# Altium PCB Copy of Delay.PcbDoc (part 2 of 2)
Units mm, origin at the board's own origin, x right, y up, seen from the top; angles counter-clockwise.
Board outline 111 x 75 mm, 4 copper layers (Top Layer, Mid Layer 1, Mid Layer 2, Bottom Layer), stack 1.57 mm thick; 121 components, 112 nets, 448 pads, 80 vias.
Unrouted connection lines stored in the file: 40.
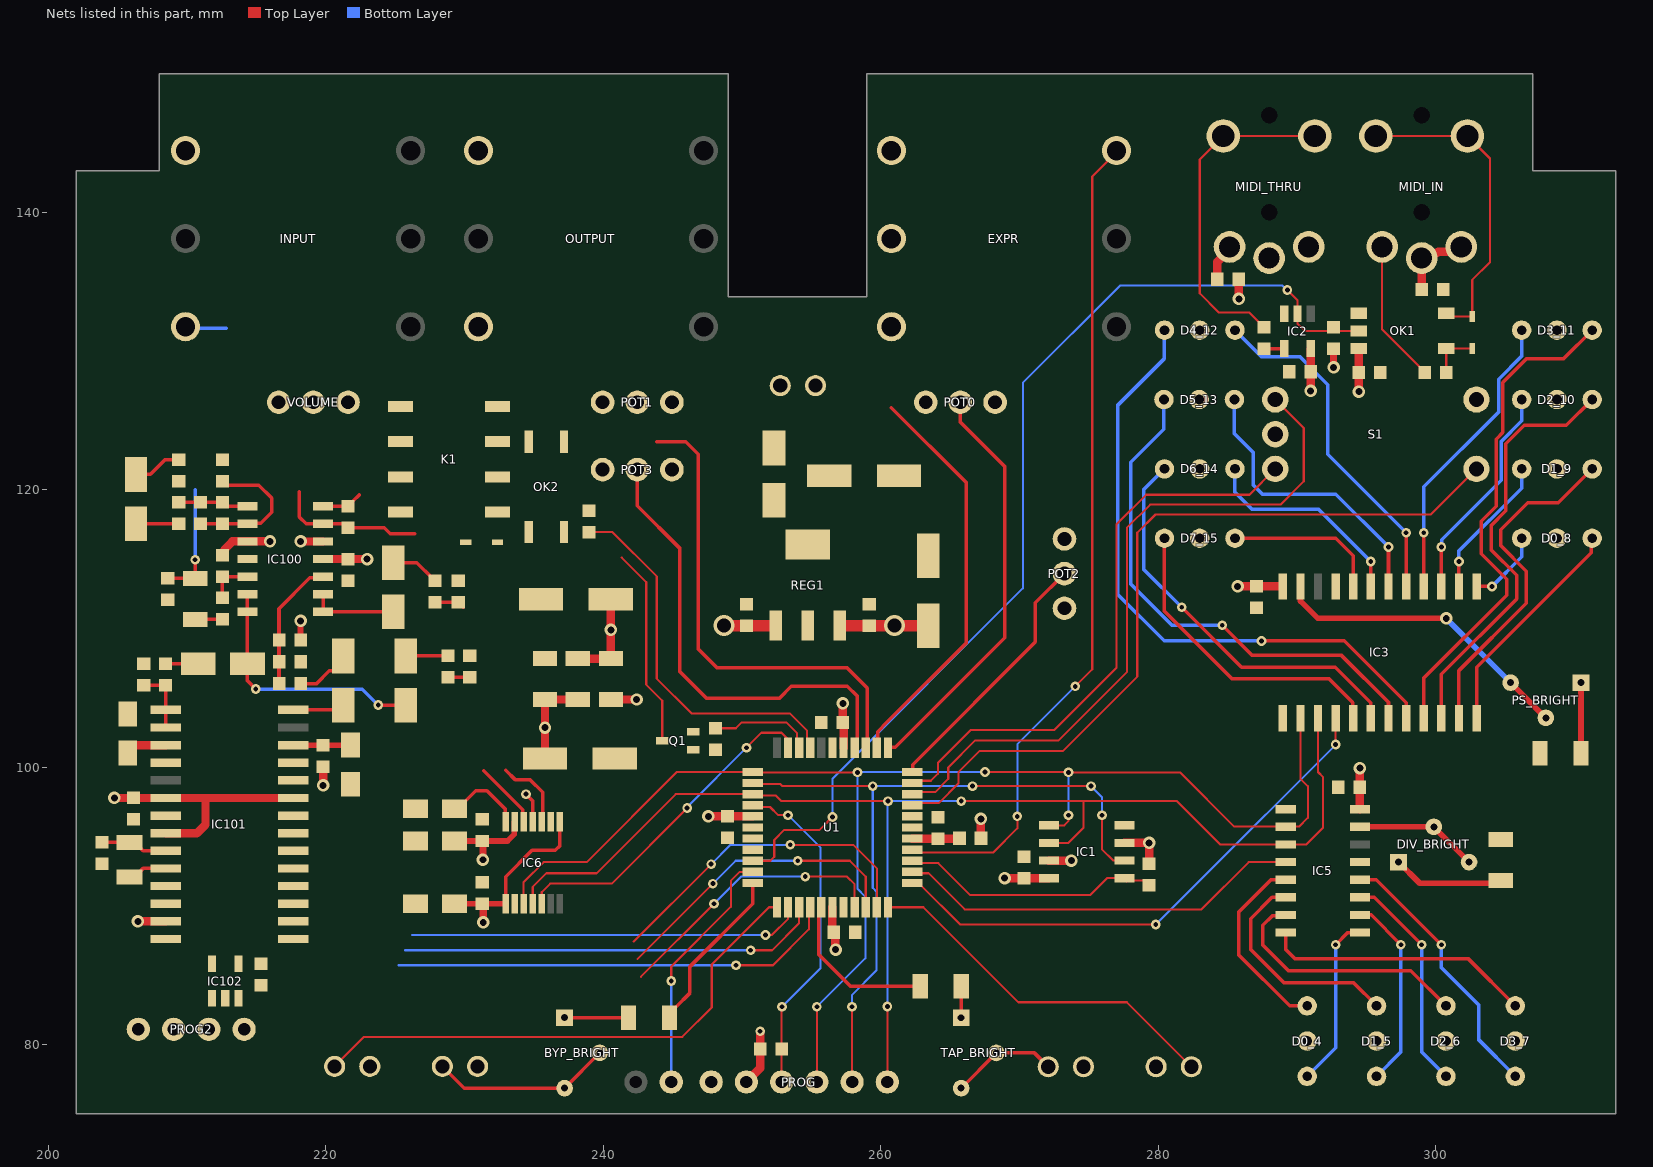
[diagram p4: the nets of this part, all layers, seen from the top]

## Part data (continued)
R107 R108 R109 R110 R111 R112: library part CRCW060315K0FKEA, "RES SMD 15K OHM 1% 1/10W 0603", Case Code (Imperial)=0603, Case Code (Metric)=1608, Manufacturer=Vishay, Max Operating Temperature=155°C, Min Operating Temperature=-55°C, Package Quantity=5000, Power Rating=100mW, Resistance=15kR, Supplier Part Number 1=1469758, Temperature Coefficient=100ppm/°C, Tolerance=1%, Voltage Rating=75V, Case/Package=0603, Category="Chip SMD Resistors", ComponentLink1Description=https://datasheet.ciiva.com/11809/0900766b80d98afc-11809112.pdf?src-supplier=RSComponents, ComponentLink1URL=https://datasheet.ciiva.com/11809/0900766b80d98afc-11809112.pdf?src-supplier=RSComponents, ComponentLink2Description=https://datasheet.ciiva.com/26314/fld-crcw-e3-data-en-26314662.pdf?src-supplier=Distrelec, ComponentLink2URL=https://datasheet.ciiva.com/26314/fld-crcw-e3-data-en-26314662.pdf?src-supplier=Distrelec, ComponentLink3Description=https://datasheet.ciiva.com/7841/1697337-7841560.pdf?src-supplier=Element14, ComponentLink3URL=https://datasheet.ciiva.com/7841/1697337-7841560.pdf?src-supplier=Element14, ComponentLink4Description=https://datasheet.ciiva.com/15159/getdatasheetpartid-99315-15159946.pdf?src-supplier=Verical, ComponentLink4URL=https://datasheet.ciiva.com/15159/getdatasheetpartid-99315-15159946.pdf?src-supplier=Verical, ComponentLink5Description=https://datasheet.ciiva.com/16287/dcrcwe3-16287995.pdf?src-supplier=Future+Electronics, ComponentLink5URL=https://datasheet.ciiva.com/16287/dcrcwe3-16287995.pdf?src-supplier=Future+Electronics, ComponentLink6Description=https://datasheet.ciiva.com/16782/70201119-16782044.pdf?src-supplier=Allied+Electronics, ComponentLink6URL=https://datasheet.ciiva.com/16782/70201119-16782044.pdf?src-supplier=Allied+Electronics, ComponentLink7Description=https://datasheet.ciiva.com/7841/1697337-7841821.pdf?src-supplier=Element14, ComponentLink7URL=https://datasheet.ciiva.com/7841/1697337-7841821.pdf?src-supplier=Element14, ComponentLink8Description=https://datasheet.ciiva.com/16515/dcrcwe3-16515053.pdf?src-supplier=Avnet+Asia, ComponentLink8URL=https://datasheet.ciiva.com/16515/dcrcwe3-16515053.pdf?src-supplier=Avnet+Asia, ComponentLink9Description=https://datasheet.ciiva.com/16893/dcrcwe3-16893672.pdf?src-supplier=Avnet+Europe, ComponentLink9URL=https://datasheet.ciiva.com/16893/dcrcwe3-16893672.pdf?src-supplier=Avnet+Europe, Composition="Thick Film", Contact Plating=Tin, Depth=0.85mm, Height=0.45mm, Lead Free="Lead Free", Length=1.55mm, Manufacturer Part Number=CRCW060315K0FKEA, Military Standard=Not, Mount="Surface Mount", Packaging="Tape and Reel", Pricing="10=0.04600, 100=0.01830, 500=0.01570, 1000=0.00710, 2500=0.00550 (EUR)", Radiation Hardening=No, REACH SVHC=Unknown, RoHS=Yes, Stock=128466, Supplier 1=Farnell, Termination=SMD/SMT, Voltage Rating (DC)=75V, Weight=7.1E-05oz, Width=0.85mm
R115: library part CRCW120647R0FKEA, "RES SMD 47 OHM 1% 1/4W 1206", Case Code (Imperial)=1206, Case Code (Metric)=3216, Manufacturer=Vishay, Max Operating Temperature=155°C, Max Power Dissipation=250mW, Min Operating Temperature=-55°C, Package Quantity=10, Supplier Part Number 1=1470017, Temperature Coefficient=100ppm/°C, Tolerance=1%, Voltage Rating=200V, Case/Package=1206, ComponentLink1Description=https://datasheet.ciiva.com/11818/0900766b80d98b5e-11818252.pdf?src-supplier=RSComponents, ComponentLink1URL=https://datasheet.ciiva.com/11818/0900766b80d98b5e-11818252.pdf?src-supplier=RSComponents, ComponentLink2Description=https://datasheet.ciiva.com/2469/dcrcwe3-2469056.pdf?src-supplier=Digi-Key, ComponentLink2URL=https://datasheet.ciiva.com/2469/dcrcwe3-2469056.pdf?src-supplier=Digi-Key, ComponentLink3Description=https://datasheet.ciiva.com/16760/70201119-16760313.pdf?src-supplier=Allied+Electronics, ComponentLink3URL=https://datasheet.ciiva.com/16760/70201119-16760313.pdf?src-supplier=Allied+Electronics, ComponentLink4Description=https://datasheet.ciiva.com/9005/dcrcwe3-9005498.pdf?src-supplier=Avnet, ComponentLink4URL=https://datasheet.ciiva.com/9005/dcrcwe3-9005498.pdf?src-supplier=Avnet, ComponentLink5Description=https://datasheet.ciiva.com/2469/dcrcwe3-2469054.pdf?src-supplier=Digi-Key, ComponentLink5URL=https://datasheet.ciiva.com/2469/dcrcwe3-2469054.pdf?src-supplier=Digi-Key, ComponentLink6Description=https://datasheet.ciiva.com/9005/dcrcwe3-9005502.pdf?src-supplier=Avnet, ComponentLink6URL=https://datasheet.ciiva.com/9005/dcrcwe3-9005502.pdf?src-supplier=Avnet, ComponentLink7Description=https://datasheet.ciiva.com/16435/dcrcw-16435790.pdf?src-supplier=Future+Electronics, ComponentLink7URL=https://datasheet.ciiva.com/16435/dcrcw-16435790.pdf?src-supplier=Future+Electronics, ComponentLink8Description=https://datasheet.ciiva.com/16894/dcrcwe3-16894718.pdf?src-supplier=Avnet+Europe, ComponentLink8URL=https://datasheet.ciiva.com/16894/dcrcwe3-16894718.pdf?src-supplier=Avnet+Europe, ComponentLink9Description=https://datasheet.ciiva.com/7777/1697337-7777594.pdf?src-supplier=Element14, ComponentLink9URL=https://datasheet.ciiva.com/7777/1697337-7777594.pdf?src-supplier=Element14, ComponentLink10Description=https://datasheet.ciiva.com/15159/getdatasheetpartid-67741-15159676.pdf?src-supplier=Verical, ComponentLink10URL=https://datasheet.ciiva.com/15159/getdatasheetpartid-67741-15159676.pdf?src-supplier=Verical, ComponentLink11Description=https://datasheet.ciiva.com/2469/dcrcwe3-2469055.pdf?src-supplier=Digi-Key, ComponentLink11URL=https://datasheet.ciiva.com/2469/dcrcwe3-2469055.pdf?src-supplier=Digi-Key, Composition="Thick Film", Contact Plating=Tin, Depth=1.6mm, Features="Automotive AEC-Q200", Height=0.55mm, Lead Free="Lead Free", Length=3.2mm, Manufacturer Part Number=CRCW120647R0FKEA, Military Standard=Not, Mount="Surface Mount", Number of Terminations=2, Packaging="Tape and Reel", Power Rating=250mW, Price=0.0249, Pricing="10=0.0369, 100=0.0246, 500=0.0205, 1000=0.0135, 2500=0.0108 (EUR)", Radiation Hardening=No, REACH SVHC=Unknown, Resistance=47R, RoHS=Yes, Stock=90018, Supplier 1=Farnell, Termination=SMD/SMT, Voltage Rating (DC)=200V, Weight=0.000353oz, Width=0.063inch
R116 R117: library part CRCW120647K0FKEA, "RES SMD 47K OHM 1% 1/4W 1206", Case Code (Imperial)=1206, Case Code (Metric)=3216, Manufacturer=Vishay, Max Operating Temperature=155°C, Max Power Dissipation=250mW, Min Operating Temperature=-55°C, Package Quantity=10, Resistance=47kR, Supplier Part Number 1=1470016, Temperature Coefficient=100ppm/°C, Tolerance=1%, Voltage Rating=200V, Case/Package=1206, ComponentLink1Description=https://datasheet.ciiva.com/11809/0900766b80d98b5e-11809091.pdf?src-supplier=RSComponents, ComponentLink1URL=https://datasheet.ciiva.com/11809/0900766b80d98b5e-11809091.pdf?src-supplier=RSComponents, ComponentLink2Description=https://datasheet.ciiva.com/16894/dcrcwe3-16894709.pdf?src-supplier=Avnet+Europe, ComponentLink2URL=https://datasheet.ciiva.com/16894/dcrcwe3-16894709.pdf?src-supplier=Avnet+Europe, ComponentLink3Description=https://datasheet.ciiva.com/26316/fld-crcw-e3-data-en-26316470.pdf?src-supplier=Distrelec, ComponentLink3URL=https://datasheet.ciiva.com/26316/fld-crcw-e3-data-en-26316470.pdf?src-supplier=Distrelec, ComponentLink4Description=https://datasheet.ciiva.com/7777/1697337-7777591.pdf?src-supplier=Element14, ComponentLink4URL=https://datasheet.ciiva.com/7777/1697337-7777591.pdf?src-supplier=Element14, ComponentLink5Description=https://datasheet.ciiva.com/7777/125364-7777592.pdf?src-supplier=Element14, ComponentLink5URL=https://datasheet.ciiva.com/7777/125364-7777592.pdf?src-supplier=Element14, ComponentLink6Description=https://datasheet.ciiva.com/16380/dcrcwe3-16380760.pdf?src-supplier=Future+Electronics, ComponentLink6URL=https://datasheet.ciiva.com/16380/dcrcwe3-16380760.pdf?src-supplier=Future+Electronics, ComponentLink7Description=https://datasheet.ciiva.com/2468/dcrcwe3-2468922.pdf?src-supplier=Digi-Key, ComponentLink7URL=https://datasheet.ciiva.com/2468/dcrcwe3-2468922.pdf?src-supplier=Digi-Key, ComponentLink8Description=https://datasheet.ciiva.com/2468/dcrcwe3-2468923.pdf?src-supplier=Digi-Key, ComponentLink8URL=https://datasheet.ciiva.com/2468/dcrcwe3-2468923.pdf?src-supplier=Digi-Key, ComponentLink9Description=https://datasheet.ciiva.com/2468/dcrcwe3-2468924.pdf?src-supplier=Digi-Key, ComponentLink9URL=https://datasheet.ciiva.com/2468/dcrcwe3-2468924.pdf?src-supplier=Digi-Key, ComponentLink10Description=https://datasheet.ciiva.com/7777/1697337-7777484.pdf?src-supplier=Element14, ComponentLink10URL=https://datasheet.ciiva.com/7777/1697337-7777484.pdf?src-supplier=Element14, ComponentLink11Description=https://datasheet.ciiva.com/22868/70201119-22868605.pdf?src-supplier=Allied+Electronics, ComponentLink11URL=https://datasheet.ciiva.com/22868/70201119-22868605.pdf?src-supplier=Allied+Electronics, ComponentLink12Description=https://datasheet.ciiva.com/9006/dcrcwe3-9006431.pdf?src-supplier=Avnet, ComponentLink12URL=https://datasheet.ciiva.com/9006/dcrcwe3-9006431.pdf?src-supplier=Avnet, Composition="Thick Film", Contact Plating=Tin, Depth=1.6mm, Features="Automotive AEC-Q200", Height=0.55mm, Lead Free="Lead Free", Length=3.2mm, Manufacturer Part Number=CRCW120647K0FKEA, Military Standard=Not, Number of Terminations=2, Packaging="Tape and Reel", Power Rating=250mW, Price=0.028, Pricing="10=0.0415, 100=0.0276, 500=0.0231, 1000=0.0135, 2500=0.0116 (EUR)", Radiation Hardening=No, REACH SVHC=Unknown, RoHS=Yes, Stock=31528, Supplier 1=Farnell, Termination=SMD/SMT, Voltage Rating (DC)=200V, Weight=0.000353oz, Width=1.6mm
REG1: library part UA78M33CDCYR, "IC REG LIN 3.3V 500MA SOT223-4", Case/Package=SOT-223-4, Dropout Voltage=2V, Manufacturer="Texas Instruments", Max Input Voltage=25V, Max Operating Temperature=125°C, Max Output Current=500mA, Min Input Voltage=5.3V, Min Operating Temperature=-40°C, Nominal Output Voltage=3.3V, Package Quantity=1, Power Supply Rejection Ratio (PSRR)=80dB, Quiescent Current=4.5mA, Supplier Part Number 1=3008103, Category="Voltage Regulators - Linear", ComponentLink1Description=https://datasheet.ciiva.com/2042/ua78m05-2042173.pdf?src-supplier=Digi-Key, ComponentLink1URL=https://datasheet.ciiva.com/2042/ua78m05-2042173.pdf?src-supplier=Digi-Key, ComponentLink2Description=https://datasheet.ciiva.com/46395/1882046-46395062.pdf?src-supplier=Element14, ComponentLink2URL=https://datasheet.ciiva.com/46395/1882046-46395062.pdf?src-supplier=Element14, ComponentLink3Description=https://datasheet.ciiva.com/7992/1882046-7992586.pdf?src-supplier=Element14, ComponentLink3URL=https://datasheet.ciiva.com/7992/1882046-7992586.pdf?src-supplier=Element14, ComponentLink4Description=https://datasheet.ciiva.com/2042/ua78m05-2042171.pdf?src-supplier=Digi-Key, ComponentLink4URL=https://datasheet.ciiva.com/2042/ua78m05-2042171.pdf?src-supplier=Digi-Key, ComponentLink5Description=https://datasheet.ciiva.com/3224/ua78m05-3224619.pdf?src-supplier=Avnet, ComponentLink5URL=https://datasheet.ciiva.com/3224/ua78m05-3224619.pdf?src-supplier=Avnet, ComponentLink6Description=https://datasheet.ciiva.com/2042/ua78m05-2042172.pdf?src-supplier=Digi-Key, ComponentLink6URL=https://datasheet.ciiva.com/2042/ua78m05-2042172.pdf?src-supplier=Digi-Key, ComponentLink7Description=https://datasheet.ciiva.com/26170/ua78m12-26170716.pdf?src-supplier=Avnet+Europe, ComponentLink7URL=https://datasheet.ciiva.com/26170/ua78m12-26170716.pdf?src-supplier=Avnet+Europe, ComponentLink8Description=https://datasheet.ciiva.com/41463/001015184-da-01-en-ic-reg-3-3v-u-ua78m33cdcyr-sot-223-4-tid-41463029.pdf?src-supplier=Conrad, ComponentLink8URL=https://datasheet.ciiva.com/41463/001015184-da-01-en-ic-reg-3-3v-u-ua78m33cdcyr-sot-223-4-tid-41463029.pdf?src-supplier=Conrad, Contact Plating=Tin,Matte, Lead Free="Lead Free", Manufacturer Part Number=UA78M33CDCYR, Mount="Surface Mount", Number of Outputs=1, Number of Pins=4, Number of Regulators=1, Output Current=500mA, Output Type=Fixed, Output Voltage=3.3V, Packaging="Tape and Reel", Polarity=Positive, Pricing="1=0.49500, 50=0.43200, 100=0.27900, 250=0.26000, 500=0.24200, 1000=0.22300, 2500=0.20200, 5000=0.18600 (EUR)", Radiation Hardening=No, REACH SVHC="No SVHC", RoHS=Yes, Stock=16789, Supplier 1=Farnell, Weight=0.006632oz
S1: library part ENC_EC11
U1: library part ATMEGA1284-AU, "Integrated Circuit", Manufacturer_Name=Microchip, Datasheet Link=http://ww1.microchip.com/downloads/en/devicedoc/atmel-42718-atmega1284_datasheet_summary.pdf, Height=1.2mm, Manufacturer_Part_Number=ATMEGA1284-AU
UART: "2 Pins female header", Pin spacing=2.54mm, Price=0.01
VOLUME: library part POT_100kB_ALPHA_9mm, "100k Lin potentiometer round shaft", Package="PCB Mounted", Dimensions=9mm, Price=1.3
Y100: library part ABS07-32.768KHZ-T, "CRYSTAL 32.7680KHZ 12.5PF SMD", Case/Package=CSMD, ESR (Equivalent Series Resistance)=70kR, Frequency=32.768kHz, Frequency Tolerance=20ppm, Load Capacitance=12.5pF, Manufacturer=Abracon, Max Operating Temperature=85°C, Min Operating Temperature=-40°C, Package Quantity=3000, Supplier Part Number 1=2101347, Category=Crystals, ComponentLink1Description=https://datasheet.ciiva.com/854/abs07-854935.pdf?src-supplier=Digi-Key, ComponentLink1URL=https://datasheet.ciiva.com/854/abs07-854935.pdf?src-supplier=Digi-Key, ComponentLink2Description=https://datasheet.ciiva.com/1357/1883680-1357319.pdf?src-supplier=Element14, ComponentLink2URL=https://datasheet.ciiva.com/1357/1883680-1357319.pdf?src-supplier=Element14, ComponentLink3Description=https://datasheet.ciiva.com/854/abs07-854936.pdf?src-supplier=Digi-Key, ComponentLink3URL=https://datasheet.ciiva.com/854/abs07-854936.pdf?src-supplier=Digi-Key, ComponentLink4Description=https://datasheet.ciiva.com/854/abs07-854937.pdf?src-supplier=Digi-Key, ComponentLink4URL=https://datasheet.ciiva.com/854/abs07-854937.pdf?src-supplier=Digi-Key, ComponentLink5Description=https://datasheet.ciiva.com/15214/getdatasheetpartid-727011-15214954.pdf?src-supplier=Verical, ComponentLink5URL=https://datasheet.ciiva.com/15214/getdatasheetpartid-727011-15214954.pdf?src-supplier=Verical, ComponentLink6Description=https://datasheet.ciiva.com/7998/1912628-7998667.pdf?src-supplier=Element14, ComponentLink6URL=https://datasheet.ciiva.com/7998/1912628-7998667.pdf?src-supplier=Element14, ComponentLink7Description=https://datasheet.ciiva.com/4944/abs07-11028-4944830.pdf?src-supplier=Mouser, ComponentLink7URL=https://datasheet.ciiva.com/4944/abs07-11028-4944830.pdf?src-supplier=Mouser, Depth=1.5mm, Height=0.035inch, Lead Free="Lead Free", Length=3.2mm, Manufacturer Part Number=ABS07-32.768KHZ-T, Number of Pins=2, Packaging="Tape and Reel", Pricing="5=0.65300, 50=0.44800, 250=0.43500, 500=0.34800, 1500=0.31800, 3000=0.28700, 15000=0.28500 (EUR)", Radiation Hardening=No, REACH SVHC="No SVHC", RoHS=Yes, Series Resistance=70kR, Stock=222445, Supplier 1=Farnell, Termination=SMD/SMT, Tolerance=20ppm, Width=0.061inch

## Via types
v1: diameter 0.7, hole 0.35, Top Layer to Bottom Layer, 52 vias
v2: diameter 0.9, hole 0.5, Top Layer to Bottom Layer, 26 vias
v3: diameter 1.5, hole 1, Top Layer to Bottom Layer, 2 vias

## Nets (pads, with @x,y where several pads share a name; then routed paths per layer and width w, separated by ;. In a path a pad name is that pad's centre, name@x,y a point inside that pad or via, vN(x,y) a via of type N, cw(c..) or ccw(c..) an arc to the next point about the centre after c; other vN are vias at no path point)
+3.3V: C3.1 C4.+ C5.1 C6.1 C7.1 C9.2 C11.1 C12.2 C13.1 C14.1 C17.1 C18.+ C105.1 C107.1 D0_4.2 D0_8.2 D1_5.2 D1_9.2 D2_6.2 D2_10.2 D3.1 D3_7.2 D3_11.2 D4_12.2 D5_13.2 D6_14.2 D7_15.2 EXPR.R IC1.3 IC1.7 IC1.8 IC2.5 IC3.24 IC5.16 IC6.1 IC6.8 IC101.6 IC101.8 IC101.13 IC101.23 IC102.4 K1.1 L1.2 OK1.6 POT0.3 POT1.3 POT2.3 POT3.3 PROG2.2 PROG.5 R4.2 R5.2 R7.1 R9.2 R104.2 REG1.3 U1.5 U1.17 U1.38 | length 79.5
  Top Layer w0.152: v2@256.712,86.888 v2(256.75,86.85)
  Top Layer w0.254: IC6.8@232.964,90.15 232.964,92.098 234.866,94 236.55,94 236.864,94.314 IC6.1@236.864,96.05
  Top Layer w0.406: C18.+@229.275,90.15 C17.1@231.281,90.15 IC6.8@232.964,90.15
  Top Layer w0.508: C17.1@231.281,90.15 231.35,90.081 v2(231.35,88.8) ; R5.2@279.35,93.05 R5.2@279.35,93.05 ; v2(292.65,128.825) R7.1@292.65,130.175
  Top Layer w0.61: v2(204.75,97.775) C105.1@206.125,97.775 IC101.6@208.45,97.775 211.325,97.775 ; v2(206.45,88.885) IC101.13@208.45,88.885 ; IC101.8@208.45,95.235 210.71,95.235 211.325,95.85 211.325,97.775 ; IC101.23@217.65,97.775 211.325,97.775 ; v2(219.8,98.69) R104.2@219.8,100.035 ; v2(247.575,96.45) C6.1@248.95,96.45 U1.5@250.775,96.45 ; PROG.5@250.32,77.3 251.31,78.29 R4.2@251.31,79.675 v1(251.31,80.954) ; C7.1@256.525,88.1 U1.17@256.525,89.9 ; C7.1@256.625,88.1 256.712,88.013 v2@256.712,86.888 ; v2(257.275,104.6) 257.275,103.3 257.2,103.225 257.325,103.1 U1.38@257.325,101.4 ; L1.2@267.227,94.875 v2(267.227,96.275) ; v2@268.944,92 v2(268.937,91.994) 270.319,91.994 C9.2@270.325,92 270.33,91.995 IC1.8@272.125,91.995 ; IC1.7@272.125,93.265 v2(273.749,93.265) ; IC1.3@277.575,94.535 v2(279.349,94.535) R5.2@279.35,93.05 ; v2(285.729,113.025) C13.1@287.1,113.025 IC3.24@288.99,113.025 ; v2(285.825,133.75) R9.2@285.825,135.175 ; v2(291,127.122) C12.2@291,128.5 IC2.5@291,130.175 ; v2(294.475,127.075) C11.1@294.475,128.45 OK1.6@294.475,130.18 ; IC5.16@294.55,96.965 C14.1@294.55,98.55 v2(294.55,99.925)
  Top Layer w0.813: REG1.3@257.05,110.2 C3.1@259.175,110.2 v3(261,110.2) C4.+@263.425,110.2
+9V: C1.+ C2.1 C15.1 C16.+ D1.1 DC.1 IC6.6 R115.1 REG1.1 | length 12.4
  Top Layer w0.406: C16.+@229.275,94.675 C15.1@231.281,94.675 ; C15.1@231.325,94.631 C15.1@231.281,94.675 ; IC6.6@233.614,96.05 233.592,96.028 233.592,95.167 233.1,94.675 C15.1@231.281,94.675
  Top Layer w0.508: v2(231.325,93.325) C15.1@231.325,94.631
  Top Layer w0.61: R115.1@240.554,104.875 v2(242.4,104.875)
  Top Layer w0.813: v3(248.7,110.2) C2.1@250.325,110.2 REG1.1@252.45,110.2
A: IC6.3 R109.2 R110.1 | length 7.7
  Top Layer w0.254: R109.2@227.874,111.875 R110.1@229.55,111.875 229.575,111.875 229.898,111.552 R110.1@229.898,111.527 ; 232.964,99.786 233.675,99.075 234.75,99.075 235.63,98.195 235.63,96.116 IC6.3@235.564,96.05
AREF: U1.29
AVCC: C8.1 L1.1 U1.27 | length 3.4
  Top Layer w0.61: U1.27@262.275,94.85 264.1,94.85 C8.1@264.125,94.825 265.625,94.825 L1.1@265.675,94.875
B: IC6.5 R107.2 R108.1 | length 6.5
  Top Layer w0.254: R107.2@228.8,106.465 R108.1@230.375,106.465 ; 231.375,99.749 234.191,96.933 234.191,96.123 IC6.5@234.264,96.05
BYP_FSW0: FSW.1 U1.12 | length 38.5
  Top Layer w0.152: FSW.1@220.63,78.425 222.755,80.55 245.7,80.55 247.825,82.675 247.825,85.775 251.95,89.9 U1.12@252.525,89.9
BYP_K0: R12.1 U1.42 | length 7.5
  Top Layer w0.152: R12.1@248.1,102.8 249.55,102.8 249.975,103.225 253.2,103.225 253.975,102.45 253.975,101.55 U1.42@254.125,101.4
BYP_LED0: R10.1 U1.11 | length 12.2
  Top Layer w0.254: R10.1@244.775,81.94 244.775,82.265 245.198,82.688 245.218,82.688 246.25,83.72 246.25,85.625 250.775,90.15 U1.11@250.775,91.65
BYP_OK0: R11.1 U1.41 | length 27.3
  Top Layer w0.152: R11.1@238.975,116.95 240.659,116.95 243.86,113.749 243.86,106.376 246.361,103.875 253.45,103.875 254.701,102.624 254.701,101.624 U1.41@254.925,101.4
DPOT_LE0: IC6.12 U1.43 | length 24.2
  Top Layer w0.152: IC6.12@235.564,90.15 235.564,90.989 236.175,91.6 240.6,91.6 v1(246.05,97.05) ; v1(250.32,101.4) 251.395,102.475 252.85,102.475 253.25,102.075 253.25,101.475 U1.43@253.325,101.4
  Bottom Layer w0.152: v1(246.05,97.05) 246.05,97.13 v1(250.32,101.4)
EEPR_LE0: IC1.1 R5.1 U1.25 | length 18.8
  Top Layer w0.152: U1.25@262.275,93.25 262.448,93.077 263.047,93.077 264.148,93.077 266.45,90.775 275.091,90.775 276.311,91.995 IC1.1@277.575,91.995 ; IC1.1@277.747,91.823 279.027,91.823 R5.1@279.35,91.5
  Top Layer w0.254: IC1.1@277.575,91.995 IC1.1@277.747,91.823
EXPR0_P: EXPR.SN U1.26 | length 60.1
  Top Layer w0.152: U1.26@262.275,94.05 262.4,93.925 262.473,93.852 263.041,93.852 263.042,93.85 268.119,93.85 269.85,95.581 v1(269.85,96.45) ; v1(274.025,105.825) 275.25,107.05 275.25,142.575 277,144.325 EXPR.SN@277,144.35
  Bottom Layer w0.152: v1(269.85,96.45) 269.85,101.65 v1(274.025,105.825)
EXPR0_W: EXPR.T U1.35 | length 29.4
  Top Layer w0.254: U1.35@259.725,101.4 259.787,101.462 259.787,102.562 260.485,103.26 266.183,108.958 266.183,120.502 260.77,125.915
FV1_P0: IC101.20 U1.15 | length 32.3
  Top Layer w0.152: v1(249.577,85.715) 252.24,85.715 254.825,88.3 254.825,89.8 U1.15@254.925,89.9
  Bottom Layer w0.152: 225.235,85.715 v1(249.577,85.715)
FV1_P1: IC101.21 U1.14 | length 30.4
  Top Layer w0.152: v1(250.624,86.8) 252.175,86.8 254.1,88.725 254.1,89.875 U1.14@254.125,89.9
  Bottom Layer w0.152: 225.725,86.8 v1(250.624,86.8)
FV1_P2: IC101.22 U1.13 | length 28.4
  Top Layer w0.152: v1(251.695,87.9) 252.15,87.9 253.325,89.075 U1.13@253.325,89.9
  Bottom Layer w0.152: 226.225,87.9 v1(251.695,87.9)
FV1_S0: IC101.16 U1.19 | length 20.3
  Top Layer w0.152: 242.71,84.885 v1(247.98,90.155) ; v1(254.562,92.105) 257.57,92.105 258.125,91.55 U1.19@258.125,89.9
  Bottom Layer w0.152: v1(247.98,90.155) 249.93,92.105 v1(254.562,92.105)
FV1_S1: IC101.17 U1.20 | length 22.1
  Top Layer w0.152: 242.455,86.155 v1(247.9,91.6) ; v1(254.025,93.25) 257.775,93.25 258.925,92.1 U1.20@258.925,89.9
  Bottom Layer w0.152: v1(247.9,91.6) 249.55,93.25 v1(254.025,93.25)
FV1_S2: IC101.18 U1.21 | length 23.8
  Top Layer w0.152: 242.2,87.425 v1(247.78,93.005) ; v1@253.65,94.4 258.025,94.4 259.725,92.7 U1.21@259.725,89.9
  Bottom Layer w0.152: v1(247.78,93.005) 249.175,94.4 v1(253.485,94.4)
GND: BYPLED.2 C1.- C2.2 C3.2 C4.- C5.2 C6.2 C7.2 C8.2 C9.1 C10.2 C11.2 C12.1 C13.2 C14.2 C15.2 C16.- C17.2 C18.- C19.- C102.2 C103.- C104.2 C105.2 C106.- C107.2 C109.2 C115.- C116.- C117.2 D1.2 DC.2 EXPR.S FSW.2 IC1.4 IC2.3 IC3.1 IC3.21 IC5.1 IC5.13 IC6.2 IC6.9 IC100.11 IC101.4 IC101.7 IC101.11 IC101.12 IC101.19 IC101.24 IC101.25 IC102.2 IC102.5 INPUT.S MIDI_THRU.S OK1.4 OK2.3 OK2.4 OUTPUT.S POT0.1 POT1.1 POT2.1 POT3.1 PROG2.1 PROG.6 Q1.2 R13.1 R14.1 R100.1 R114.1 R117.1 REG1.2 S1.2 S1.5 TAPFSW.1 TAPLED.2 U1.6 U1.18 U1.28 U1.39
INPUT: INPUT.T K1.6 | length 2.9
  Bottom Layer w0.254: INPUT.T@209.885,131.65 212.825,131.65
MISO: IC1.2 PROG.2 U1.2 | length 53.5
  Top Layer w0.152: U1.2@250.775,98.85 250.85,98.775 252.775,98.775 252.921,98.629 v1(259.425,98.629) ; PROG.2@257.94,77.3 v1(257.94,82.725) ; v1(266.621,98.631) 275.157,98.631 275.159,98.629 v1(275.161,98.631) ; v1(275.95,96.535) 275.95,94.075 276.76,93.265 IC1.2@277.575,93.265
  Bottom Layer w0.152: v1(257.94,82.725) 257.94,83.585 259.7,85.345 259.7,91.025 259.425,91.3 v1(259.425,98.629) 259.427,98.631 v1(266.621,98.631) ; v1(275.161,98.631) 275.95,97.842 v1(275.95,96.535)
MOSI: IC1.5 IC3.2 IC5.2 IC6.10 PROG.3 U1.1 | length 99.8
  Top Layer w0.152: IC6.10@234.264,90.15 234.264,91.714 235.7,93.15 238.8,93.15 245.3,99.65 U1.1@250.775,99.65 250.8,99.625 v1(258.325,99.625) ; PROG.3@255.4,77.3 v1(255.4,82.725) ; v1(267.519,99.645) 273.515,99.645 v1(273.535,99.625) 281.575,99.625 285.493,95.707 290.157,95.707 290.8,96.35 290.8,98.625 290.26,99.165 IC3.2@290.26,103.525 ; IC1.5@272.125,95.805 273.235,95.805 273.535,96.105 v1(273.535,96.535)
  Bottom Layer w0.152: v1(255.4,82.725) 258.9,86.225 258.9,90.65 258.325,91.225 v1(258.325,99.625) 258.345,99.645 v1(267.519,99.645) ; v1(273.535,96.535) v1(273.535,99.625)
NetBYP_BRIGHT_1: BYP_BRIGHT.1 R10.2 | length 4.6
  Top Layer w0.254: BYP_BRIGHT.1@237.21,81.94 R10.2@241.825,81.94
NetBYP_BRIGHT_2: BYP_BRIGHT.2 BYP_BRIGHT.3 BYPLED.1 | length 13
  Top Layer w0.254: BYPLED.1@228.405,78.425 229.97,76.86 BYP_BRIGHT.3@237.21,76.86 BYP_BRIGHT.2@239.75,79.4
NetC10_1: C10.1 MIDI_IN.S | length 5.5
  Top Layer w0.508: MIDI_IN.S@301.51,137.16 MIDI_IN.S@301.85,137.5
  Top Layer w0.61: C10.1@299,134.425 MIDI_IN.S@299,136.7 299.34,137.04 300.066,137.04 300.186,137.16 MIDI_IN.S@301.51,137.16
NetC19_+: C19.+ IC6.7 | length 5.7
  Top Layer w0.254: C19.+@229.275,97 229.5,97 230.048,97.548 230.81,98.31 231.615,98.31 232.943,96.982 232.943,96.071 IC6.7@232.964,96.05
NetC100_1: C100.1 R101.1 | length 2
  Top Layer w0.254: C100.1@210.578,110.65 R101.1@212.55,110.65
NetC101_+: C101.+ C110.+ IC100.13 IC100.14 | length 18.4
  Top Layer w0.254: IC100.13@214.35,112.46 IC100.14@214.35,111.19 C101.+@214.35,107.45 214.35,106.225 v1(214.95,105.625) ; v1(223.775,104.472) C110.+@225.759,104.472
  Bottom Layer w0.254: v1(214.95,105.625) 222.622,105.625 v1(223.775,104.472)
NetC101_-: C101.- R103.1 | length 2.4
  Top Layer w0.254: R103.1@208.45,107.45 C101.-@210.806,107.45
NetC102_1: C102.1 IC101.1 IC101.2 R103.2 | length 4.6
  Top Layer w0.254: C102.1@206.875,105.9 R103.2@208.45,105.9 IC101.1@208.45,104.125 IC101.2@208.45,102.855
NetC103_+: C103.+ IC101.3 | length 3
  Top Layer w0.61: C103.+@205.725,101.025 205.725,101.037 206.273,101.585 IC101.3@208.45,101.585
NetC104_1: C104.1 IC101.9 Y100.1 | length 4.9
  Top Layer w0.254: C104.1@203.875,94.575 Y100.1@205.85,94.575 206.25,94.575 206.673,94.152 206.673,94.114 206.822,93.965 IC101.9@208.45,93.965
NetC106_+: C106.+ IC101.26 R104.1 | length 4.1
  Top Layer w0.406: IC101.26@217.65,101.585 R104.1@219.8,101.585 C106.+@221.775,101.585
NetC108_+: C108.+ IC101.28 | length 3.7
  Top Layer w0.254: IC101.28@217.65,104.125 220.903,104.125 C108.+@221.25,104.472
NetC108_-: C108.- R105.1 | length 4.1
  Top Layer w0.254: R105.1@218.175,106.025 219.334,106.025 220.247,106.938 220.577,106.938 221.25,107.611 C108.-@221.25,108.015
NetC109_1: C109.1 IC100.3 R105.2 R106.1 | length 9.5
  Top Layer w0.254: R105.2@216.625,106.025 C109.1@216.625,107.6 R106.1@216.625,109.175 216.625,111.43 218.843,113.648 219.718,113.648 IC100.3@219.8,113.73
NetC110_-: C110.- R107.1 | length 3
  Top Layer w0.254: C110.-@225.759,108.015 R107.1@228.8,108.015
NetC111_+: C111.+ IC100.1 IC100.2 | length 6.3
  Top Layer w0.254: IC100.2@219.8,112.46 IC100.1@219.8,111.19 C111.+@224.859,111.19
NetC111_-: C111.- R109.1 | length 3.6
  Top Layer w0.254: C111.-@224.859,114.734 226.565,114.734 227.699,113.6 227.699,113.575 227.849,113.425 R109.1@227.874,113.425
NetC112_1: C112.1 IC100.7 R111.1 VOLUME.2 VOLUME.3 | length 3.2
  Top Layer w0.254: R111.1@212.55,122.175 R111.1@212.725,122 ; IC100.7@219.8,118.81 221.625,118.81 221.948,119.133 221.948,119.158 222.425,119.635
NetC112_2: C112.2 IC100.6 R108.2 R110.2 VOLUME.1 | length 10.2
  Top Layer w0.254: 218.091,119.841 218.091,118.034 218.585,117.54 IC100.6@219.8,117.54 C112.2@221.32,117.54 ; C112.2@221.6,117.26 224.215,117.26 224.65,116.825 226.425,116.825
NetC113_1: C113.1 IC100.8 R112.2 R113.1 | length 5.1
  Top Layer w0.254: R113.1@209.4,119.1 R112.2@210.975,119.1 C113.1@212.55,119.1 212.84,118.81 IC100.8@214.35,118.81
NetC113_2: C113.2 IC100.9 R111.2 R112.1 | length 10.6
  Top Layer w0.254: R112.1@210.975,117.55 C113.2@212.55,117.55 212.56,117.54 IC100.9@214.35,117.54 214.392,117.582 215.307,117.582 216.1,118.375 216.1,119.4 215.175,120.325 212.85,120.325 R111.2@212.55,120.625
NetC114_+: C114.+ R113.2 | length 3.1
  Top Layer w0.254: C114.+@206.325,117.55 R113.2@209.4,117.55
NetD2_1: D2.1 OK1.1 R6.2 | length 3.6
  Top Layer w0.152: R6.2@300.775,128.45 OK1.1@300.775,130.18 302.645,130.18 D2.1@302.65,130.175 D2.1@302.655,130.18
NetD2_2: D2.2 MIDI_IN.T OK1.3 | length 22.8
  Top Layer w0.152: MIDI_IN.T@295.7,145.5 MIDI_IN.T@302.3,145.5 303.925,143.875 303.925,136.4 302.65,135.125 D2.2@302.65,132.475 301.02,132.475 OK1.3@300.775,132.72
NetD3_2: D3.2 K1.8 Q1.3 | length 14.4
  Top Layer w0.153: 241.334,115.1 243.1,113.334 243.1,105.945 244.25,104.795 Q1.3@244.25,101.9
NetDIV_BRIGHT_1: DIV_BRIGHT.1 R14.2 | length 8.1
  Top Layer w0.406: DIV_BRIGHT.1@297.335,93.155 298.865,91.625 304.5,91.625 R14.2@304.7,91.825
NetDIV_BRIGHT_2: DIV_BRIGHT.2 DIV_BRIGHT.3 IC5.15 | length 8.9
  Top Layer w0.406: IC5.15@294.55,95.695 DIV_BRIGHT.2@299.875,95.695 DIV_BRIGHT.3@302.415,93.155
NetIC2_4: IC2.4 R8.1 | length 1.5
  Top Layer w0.254: R8.1@287.625,130.175 IC2.4@289.1,130.175
NetIC3_23: IC3.23 PS_BRIGHT.2 PS_BRIGHT.3 | length 22.3
  Top Layer w0.254: v2(300.775,110.725) v2@300.806,110.725
  Top Layer w0.406: IC3.23@290.26,113.025 290.26,111.98 291.515,110.725 v2@300.806,110.725 ; PS_BRIGHT.3@305.41,106.09 PS_BRIGHT.2@307.95,103.55
  Bottom Layer w0.406: v2(300.775,110.725) PS_BRIGHT.3@305.41,106.09
NetIC100_12: IC100.12 R101.2 R102.1 | length 3.3
  Top Layer w0.254: R101.2@212.55,112.2 R102.1@212.55,113.73 IC100.12@214.35,113.73
NetIC101_10: IC101.10 Y100.2 | length 2.9
  Top Layer w0.254: Y100.2@205.85,92.075 206.25,92.075 206.673,92.498 206.673,92.546 206.822,92.695 IC101.10@208.45,92.695
NetK1_2: K1.2 K1.7
NetMIDI_IN_R: MIDI_IN.R R6.1 | length 10.3
  Top Layer w0.152: MIDI_IN.R@296.15,137.5 296.15,131.55 298.851,128.849 299.225,128.475 R6.1@299.225,128.45
NetMIDI_THRU_R: MIDI_THRU.R R9.1 | length 2.7
  Top Layer w0.61: R9.1@284.275,135.175 284.275,136.431 285.15,137.306 MIDI_THRU.R@285.15,137.5
NetMIDI_THRU_T: MIDI_THRU.T R8.2 | length 24.3
  Top Layer w0.152: R8.2@287.625,131.725 287.6,131.725 287.277,132.048 287.277,132.073 286.575,132.775 284.375,132.775 283,134.15 283,143.8 MIDI_THRU.T@284.7,145.5 MIDI_THRU.T@291.3,145.5
NetOK2_1: OK2.1 R11.2
NetPS_BRIGHT_1: PS_BRIGHT.1 R13.2 | length 5.1
  Top Layer w0.406: R13.2@310.49,101 PS_BRIGHT.1@310.49,106.09
NetQ1_1: Q1.1 R12.2
NetR15_2: R15.2 TAP_BRIGHT.1 | length 2.3
  Top Layer w0.254: TAP_BRIGHT.1@265.8,81.934 R15.2@265.8,84.2
NetTAP_BRIGHT_2: TAP_BRIGHT.2 TAP_BRIGHT.3 TAPLED.1 | length 7.7
  Top Layer w0.254: TAP_BRIGHT.3@265.8,76.854 TAP_BRIGHT.2@268.34,79.394 271.086,79.394 TAPLED.1@272.08,78.4
OUTPUT: K1.3 OK2.6 OUTPUT.T
P0_W: POT0.2 U1.34 | length 30
  Top Layer w0.254: U1.34@260.525,101.4 260.567,101.442 261.057,101.442 268.944,109.329 268.944,121.675 265.75,124.869 POT0.2@265.75,126.3
P1_W: POT1.2 U1.36 | length 35.1
  Top Layer w0.254: 243.86,123.45 245.95,123.45 246.85,122.55 246.85,108.512 248.212,107.15 257.589,107.15 259.039,105.7 259.039,101.514 U1.36@258.925,101.4
P2_W: POT2.2 U1.33 | length 18.8
  Top Layer w0.254: U1.33@262.275,99.65 262.307,99.682 262.307,100.182 271.15,109.025 271.15,111.85 POT2.2@273.25,113.95
P3_W: POT3.2 U1.37 | length 33.9
  Top Layer w0.254: POT3.2@242.45,121.45 242.45,118.85 245.5,115.8 245.5,106.912 247.462,104.95 252.675,104.95 253.55,105.825 257.6,105.825 258.298,105.127 258.298,101.573 U1.37@258.125,101.4
PS_0: D0_8.1 IC3.12 | length 16.4
  Top Layer w0.254: IC3.12@302.96,103.525 302.96,107.21 311.218,115.468 311.218,116.428 D0_8.1@311.29,116.5
PS_1: D1_9.1 IC3.11 | length 24.8
  Top Layer w0.254: IC3.11@301.69,103.525 301.69,106.965 306.55,111.825 306.55,114.125 304.7,115.975 304.7,117.1 306.65,119.05 308.84,119.05 D1_9.1@311.29,121.5
PS_2: D2_10.1 IC3.10 | length 30.8
  Top Layer w0.254: IC3.10@300.42,103.525 300.42,106.695 305.85,112.125 305.85,113.825 304,115.675 304,117.4 305.075,118.475 305.075,123.315 306.406,124.646 309.436,124.646 D2_10.1@311.29,126.5
PS_3: D3_11.1 IC3.9 | length 36.1
  Top Layer w0.254: IC3.9@299.15,103.525 299.15,106.425 305.125,112.4 305.125,113.55 303.3,115.375 303.3,117.725 304.375,118.8 304.375,123.65 304.85,124.125 304.85,127.725 306.55,129.425 309.215,129.425 D3_11.1@311.29,131.5
PS_4: D4_12.1 IC3.8 | length 45.6
  Top Layer w0.254: v1(287.448,109.1) 293.41,109.1 297.88,104.63 IC3.8@297.88,103.525
  Bottom Layer w0.254: D4_12.1@280.46,131.5 280.46,129.46 277.075,126.075 277.075,112.466 280.441,109.1 v1(287.448,109.1)
PS_5: D5_13.1 IC3.7 | length 37.6
  Top Layer w0.254: v1(284.625,110.225) 286.8,108.05 293.225,108.05 296.61,104.665 IC3.7@296.61,103.525
  Bottom Layer w0.254: D5_13.1@280.42,126.5 280.42,124.37 278.025,121.975 278.025,113.2 281,110.225 v1(284.625,110.225)
PS_6: D6_14.1 IC3.6 | length 29.3
  Top Layer w0.254: v1(281.704,111.521) 286.015,107.21 292.765,107.21 295.34,104.635 IC3.6@295.34,103.525
  Bottom Layer w0.254: D6_14.1@280.46,121.5 278.95,119.99 278.95,114.275 v1(281.704,111.521)
PS_7: D7_15.1 IC3.5 | length 22.7
  Top Layer w0.254: D7_15.1@280.46,116.5 280.46,111.24 285.325,106.375 292.325,106.375 294.045,104.655 294.045,103.55 IC3.5@294.07,103.525
PS_8: D7_15.3 IC3.20 | length 11.3
  Top Layer w0.254: D7_15.3@285.54,116.5 292.8,116.5 294.07,115.23 IC3.20@294.07,113.025
PS_9: D6_14.3 IC3.19 | length 15.3
  Top Layer w0.254: v1(295.325,114.825) 295.34,114.81 IC3.19@295.34,113.025
  Bottom Layer w0.254: D6_14.3@285.54,121.5 285.54,119.81 286.775,118.575 291.575,118.575 v1(295.325,114.825)
PS_10: D5_13.3 IC3.18 | length 21.2
  Top Layer w0.254: IC3.18@296.61,113.025 v1(296.61,115.875)
  Bottom Layer w0.254: D5_13.3@285.5,126.5 285.5,124.05 286.875,122.675 286.875,120.325 287.525,119.675 292.81,119.675 v1(296.61,115.875)
PS_11: D4_12.3 IC3.17 | length 25.2
  Top Layer w0.254: IC3.17@297.88,113.025 v1(297.88,116.9)
  Bottom Layer w0.254: D4_12.3@285.54,131.5 287.44,129.6 290.2,129.6 292.225,127.575 292.225,122.555 v1(297.88,116.9)
PS_12: D3_11.3 IC3.16 | length 21.4
  Top Layer w0.254: IC3.16@299.15,113.025 v1(299.15,116.9)
  Bottom Layer w0.254: v1(299.15,116.9) 299.15,120.2 304.55,125.6 304.55,127.975 306.21,129.635 D3_11.3@306.21,131.5
PS_13: D2_10.3 IC3.15 | length 15.9
  Top Layer w0.254: IC3.15@300.42,113.025 v1(300.42,115.875)
  Bottom Layer w0.254: v1(300.42,115.875) 300.435,115.89 300.435,116.385 304.725,120.675 304.725,123.475 306.21,124.96 D2_10.3@306.21,126.5
PS_14: D1_9.3 IC3.14 | length 10.3
  Top Layer w0.254: IC3.14@301.69,113.025 v1(301.69,114.825)
  Bottom Layer w0.254: v1(301.69,114.825) 301.69,115.59 306.21,120.11 D1_9.3@306.21,121.5
PS_15: D0_8.3 IC3.13 | length 5.5
  Top Layer w0.254: IC3.13@302.96,113.025 v1(304.07,113.025)
  Bottom Layer w0.254: v1(304.07,113.025) 306.21,115.165 D0_8.3@306.21,116.5
PS_ENC_A: S1.1 U1.32 | length 42.1
  Top Layer w0.152: U1.32@262.275,98.85 262.44,99.015 263.615,99.015 264.125,99.525 264.125,100.3 266.5,102.675 272.522,102.675 277,107.153 277,117.5 279.136,119.636 286.586,119.636 S1.1@288.45,121.5
PS_ENC_B: S1.3 U1.31 | length 50.9
  Top Layer w0.152: U1.31@262.275,98.05 262.425,98.2 263.925,98.2 264.875,99.15 264.875,99.975 266.825,101.925 272.825,101.925 277.75,106.85 277.75,117.25 279.425,118.925 288.825,118.925 290.5,120.6 290.5,124.45 S1.3@288.45,126.5
PS_ENC_SW: S1.4 U1.30 | length 57.3
  Top Layer w0.152: U1.30@262.275,97.25 262.425,97.4 264.185,97.4 265.6,98.815 265.6,99.623 267.152,101.175 273.15,101.175 278.5,106.525 278.5,116.9 279.816,118.216 299.666,118.216 S1.4@302.95,121.5
PS_LE0: IC3.4 U1.23 | length 39.3
  Top Layer w0.152: U1.23@262.275,91.65 262.725,91.65 262.898,91.477 265.725,88.65 v1@279.855,88.65 ; v1(292.8,101.625) IC3.4@292.8,103.525
  Bottom Layer w0.152: v1@279.855,88.455 279.825,88.485 279.855,88.515 279.855,88.65 279.825,88.65 282.825,91.65 v1(292.8,101.625)
  other v1: 279.83,88.65
RESET: PROG.4 R4.1 U1.4 | length 24.2
  Top Layer w0.152: U1.4@250.775,97.25 250.9,97.125 252.025,97.125 252.615,96.535 v1(253.325,96.535) ; PROG.4@252.86,77.3 R4.1@252.86,79.675 v1@252.86,82.7
  Top Layer w0.254: v1@252.86,82.7 v1(252.885,82.725)
  Bottom Layer w0.152: v1(252.885,82.725) 255.675,85.515 255.675,94.185 v1(253.325,96.535)
RETURN: C114.- K1.4 R114.2 | length 3.5
  Top Layer w0.254: C114.-@206.325,121.094 206.339,121.107 207.357,121.107 208.425,122.175 R114.2@209.4,122.175
RX0: IC2.2 OK1.5 R7.2 U1.9 | length 74.2
  Top Layer w0.152: U1.9@250.775,93.25 252.04,93.25 252.325,93.535 252.325,94.75 253.05,95.475 255.6,95.475 v1(256.525,96.4) ; v1(289.316,134.4) 290.05,133.666 290.05,131.975 290.575,131.45 292.375,131.45 OK1.5@294.475,131.45
  Bottom Layer w0.152: v1(256.525,96.4) 256.525,99.162 270.25,112.887 270.25,127.7 277.275,134.725 288.953,134.725 289.278,134.4 v1(289.316,134.4)
SCK: IC1.6 IC3.3 IC5.3 IC6.11 PROG.1 U1.3 | length 96.2
  Top Layer w0.152: IC6.11@234.914,90.15 234.914,91.364 235.9,92.35 239.525,92.35 245.225,98.05 U1.3@250.775,98.05 250.878,97.947 252.453,97.947 252.85,97.55 v1(260.525,97.55) ; PROG.1@260.48,77.3 v1(260.48,82.74) ; v1(265.812,97.55) 274.62,97.55 ; IC1.6@272.125,94.535 273.535,94.535 274.62,95.62 274.62,97.55 ; IC3.3@291.53,103.525 291.53,99.645 291.9,99.275 291.9,95.65 290.675,94.425 IC5.3@289.2,94.425 284.49,94.425 281.365,97.55 274.62,97.55
  Bottom Layer w0.152: v1(260.48,82.74) 260.48,97.395 260.425,97.45 v1(260.525,97.55) v1(265.812,97.55)
SCL: IC101.14 IC102.1 PROG2.3
SDA: IC101.15 IC102.3 PROG2.4
SEND: C100.2 K1.5 R100.2 | length 8.4
  Top Layer w0.254: R100.2@208.6,113.6 C100.2@210.578,113.6 v1(210.578,114.95)
  Bottom Layer w0.254: v1(210.578,114.95) 210.578,120.003
TAP_0: D0_4.1 IC5.5 | length 13.9
  Top Layer w0.254: IC5.5@289.2,91.885 288.135,91.885 285.8,89.55 285.8,86.475 289.485,82.79 D0_4.1@290.75,82.79
TAP_1: D1_5.1 IC5.6 | length 16.1
  Top Layer w0.254: IC5.6@289.2,90.615 288.215,90.615 286.675,89.075 286.675,86.85 289.075,84.45 294.09,84.45 D1_5.1@295.75,82.79
TAP_2: D2_6.1 IC5.7 | length 18.4
  Top Layer w0.254: IC5.7@289.2,89.345 289.148,89.293 288.243,89.293 287.55,88.6 287.55,87.175 289.4,85.325 298.215,85.325 D2_6.1@300.75,82.79
TAP_3: D3_7.1 IC5.8 | length 19.5
  Top Layer w0.254: IC5.8@289.2,88.075 289.2,86.85 289.85,86.2 302.34,86.2 D3_7.1@305.75,82.79
TAP_4: D0_4.3 IC5.9 | length 12.5
  Top Layer w0.254: v1(292.8,87.2) 293.675,88.075 IC5.9@294.55,88.075
  Bottom Layer w0.254: D0_4.3@290.75,77.71 292.8,79.76 v1(292.8,87.2)
TAP_5: D1_5.3 IC5.10 | length 14.1
  Top Layer w0.254: IC5.10@294.55,89.345 295.355,89.345 v1(297.5,87.2)
  Bottom Layer w0.254: D1_5.3@295.75,77.71 297.5,79.46 v1(297.5,87.2)
TAP_6: D2_6.3 IC5.11 | length 16.1
  Top Layer w0.254: IC5.11@294.55,90.615 295.585,90.615 v1(299,87.2)
  Bottom Layer w0.254: v1(299,87.2) 299,79.46 D2_6.3@300.75,77.71
TAP_7: D3_7.3 IC5.12 | length 19.5
  Top Layer w0.254: IC5.12@294.55,91.885 295.735,91.885 v1(300.42,87.2)
  Bottom Layer w0.254: v1(300.42,87.2) 300.42,85.555 303.1,82.875 303.1,80.36 D3_7.3@305.75,77.71
TAP_FSW0: TAPFSW.2 U1.22 | length 26.6
  Top Layer w0.152: U1.22@260.525,89.9 263.075,89.9 269.925,83.05 277.745,83.05 TAPFSW.2@282.395,78.4
TAP_LE0: IC5.4 U1.24 | length 29.5
  Top Layer w0.152: U1.24@262.275,92.45 262.375,92.35 263.455,92.35 266.055,89.75 283.125,89.75 286.53,93.155 IC5.4@289.2,93.155
TAP_LED0: R15.1 U1.16 | length 11.7
  Top Layer w0.254: U1.16@255.725,89.9 255.552,89.727 255.552,86.473 257.825,84.2 R15.1@262.85,84.2
TX0: U1.10 UART.1 | length 18.1
  Top Layer w0.152: v1(244.9,84.575) 244.9,85.625 249.2,89.925 249.2,91.8 249.85,92.45 U1.10@250.775,92.45
  Bottom Layer w0.152: UART.1@244.9,77.3 v1(244.9,84.575)
Vb: C116.+ IC6.4 IC100.5 IC100.10 R102.2 R106.2 R116.2 R117.2 | length 15.8
  Top Layer w0.254: v1(234.425,98.05) 234.914,97.561 IC6.4@234.914,96.05
  Top Layer w0.406: R106.2@218.175,109.175 v2(218.175,110.55)
  Top Layer w0.601: v2(218.175,116.27) IC100.5@219.8,116.27
  Top Layer w0.61: R102.2@212.55,115.28 212.575,115.28 212.72,115.425 212.72,115.72 213.27,116.27 v2(215.975,116.27) ; C116.+@235.8,100.625 v2(235.8,102.85) R117.2@235.8,104.875 R116.2@238.17,104.875
Vr: C115.+ C117.1 IC100.4 R115.2 R116.1 | length 9.8
  Top Layer w0.601: IC100.4@219.8,115 C117.1@221.6,115 v2(222.975,115)
  Top Layer w0.61: R116.1@238.17,107.825 R115.2@240.554,107.825 C115.+@240.554,112.1
  other v2: 240.554,109.9
XTAL1: U1.8
XTAL2: U1.7
pads on no net: EXPR.RN EXPR.TN IC2.1 IC3.22 IC5.14 IC6.13 IC6.14 IC101.5 IC101.27 INPUT.R INPUT.RN INPUT.SN INPUT.TN MIDI_IN. MIDI_THRU. OUTPUT.R OUTPUT.RN OUTPUT.SN OUTPUT.TN U1.40 U1.44 UART.2

## Polygon pours and split planes (outlines as drawn)
GND on Bottom Layer "NONET_L04_P001" (solid, shelved, pour order 1): 202,75 202,143 208,143 208,150 307,150 307,143 313,143 313,75
GND on Mid Layer 1 "NONET_L02_P003" (solid, shelved, pour order 3): 202,143 208,143 208,150 307,150 307,143 313,143 313,75 202,75
+3.3V on Mid Layer 2 "Mid Layer 2-+3.3V" (solid, pour order 15): 204.875,78.925 310.025,78.925 310,78.95 310,133.57 303.716,133.57 303.716,140.201 303.736,140.222 258.991,140.222 258.991,133.7 229.556,133.7 229.556,114.375 241.15,114.375 241.15,118 248,118 248,130 258.991,130 258.991,124.288 258.991,117.25 254.925,117.25 254.925,107.19 245.275,107.19 245.275,91.235 224.5,91.235 224.5,98.15 204.875,98.15
GND on Mid Layer 2 "NONET_L03_P035" (solid, shelved, pour order 35): 202,143 202,75 313,75 313,143 307,143 307,143.325 307,150 208,150 208,143
Vb on Mid Layer 2 "Mid Layer 2-Vb" (solid, pour order 30): 231,97.55 237.075,97.55 237.075,103.501 237.075,104.75 220.1,104.75 220.1,113.15 216.075,113.15 216.075,102.425 231,102.425
Vr on Mid Layer 2 "Mid Layer 2-Vr" (solid, pour order 29): 221.774,109.884 237.339,109.884 237.35,109.873 237.35,107.123 241.581,107.123 241.581,113.046 221.776,113.052
+9V on Mid Layer 2 "Layer 2-No Net" (solid, pour order 26): 253.325,119.179 257.75,119.179 257.75,127.825 257.75,129 249.75,129 249.75,116.629 242.825,116.629 242.825,109.5 242.825,105.725 239.6,105.725 239.6,104.075 239.6,96.458 227.85,96.458 227.85,92.7 244.275,92.7 244.275,108.65 253.325,108.65
GND on Top Layer "GND_L01_P000" (solid, pour order 0): 202,75 202,143 208,143 208,150 307,150 307,143 313,143 313,75

## Keep-outs
Keep-Out Layer:
  lines w0.1: 249,150 208,150 208,143 202,143 202,75 313,75 313,143 307,143 307,150 258.991,150 ; 249,150 249,133.9 258.991,133.9 258.991,150 ; 249,150 249,150 ; 258.991,150 258.991,150